# KiCad board panel_3_3.kicad_pcb
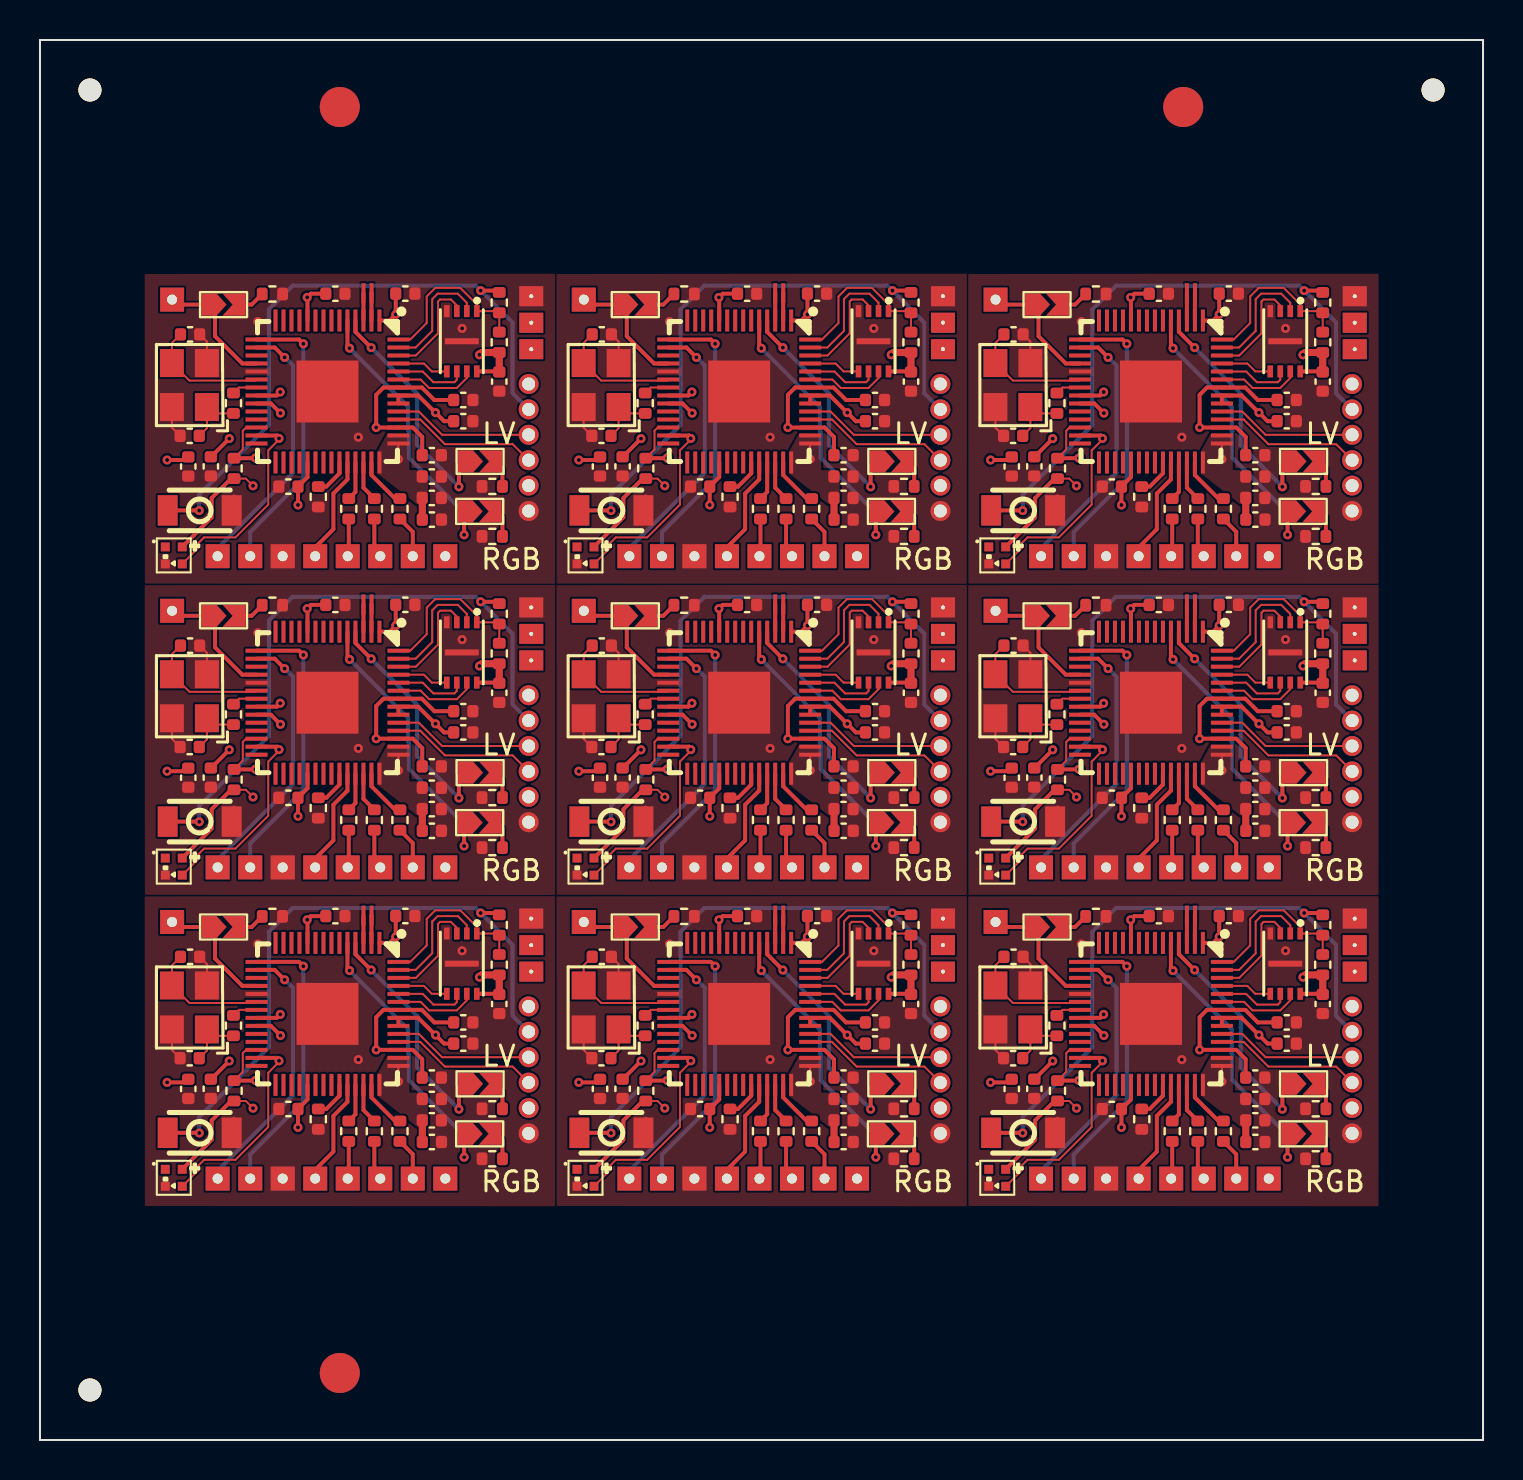
[diagram p0: board, top side]
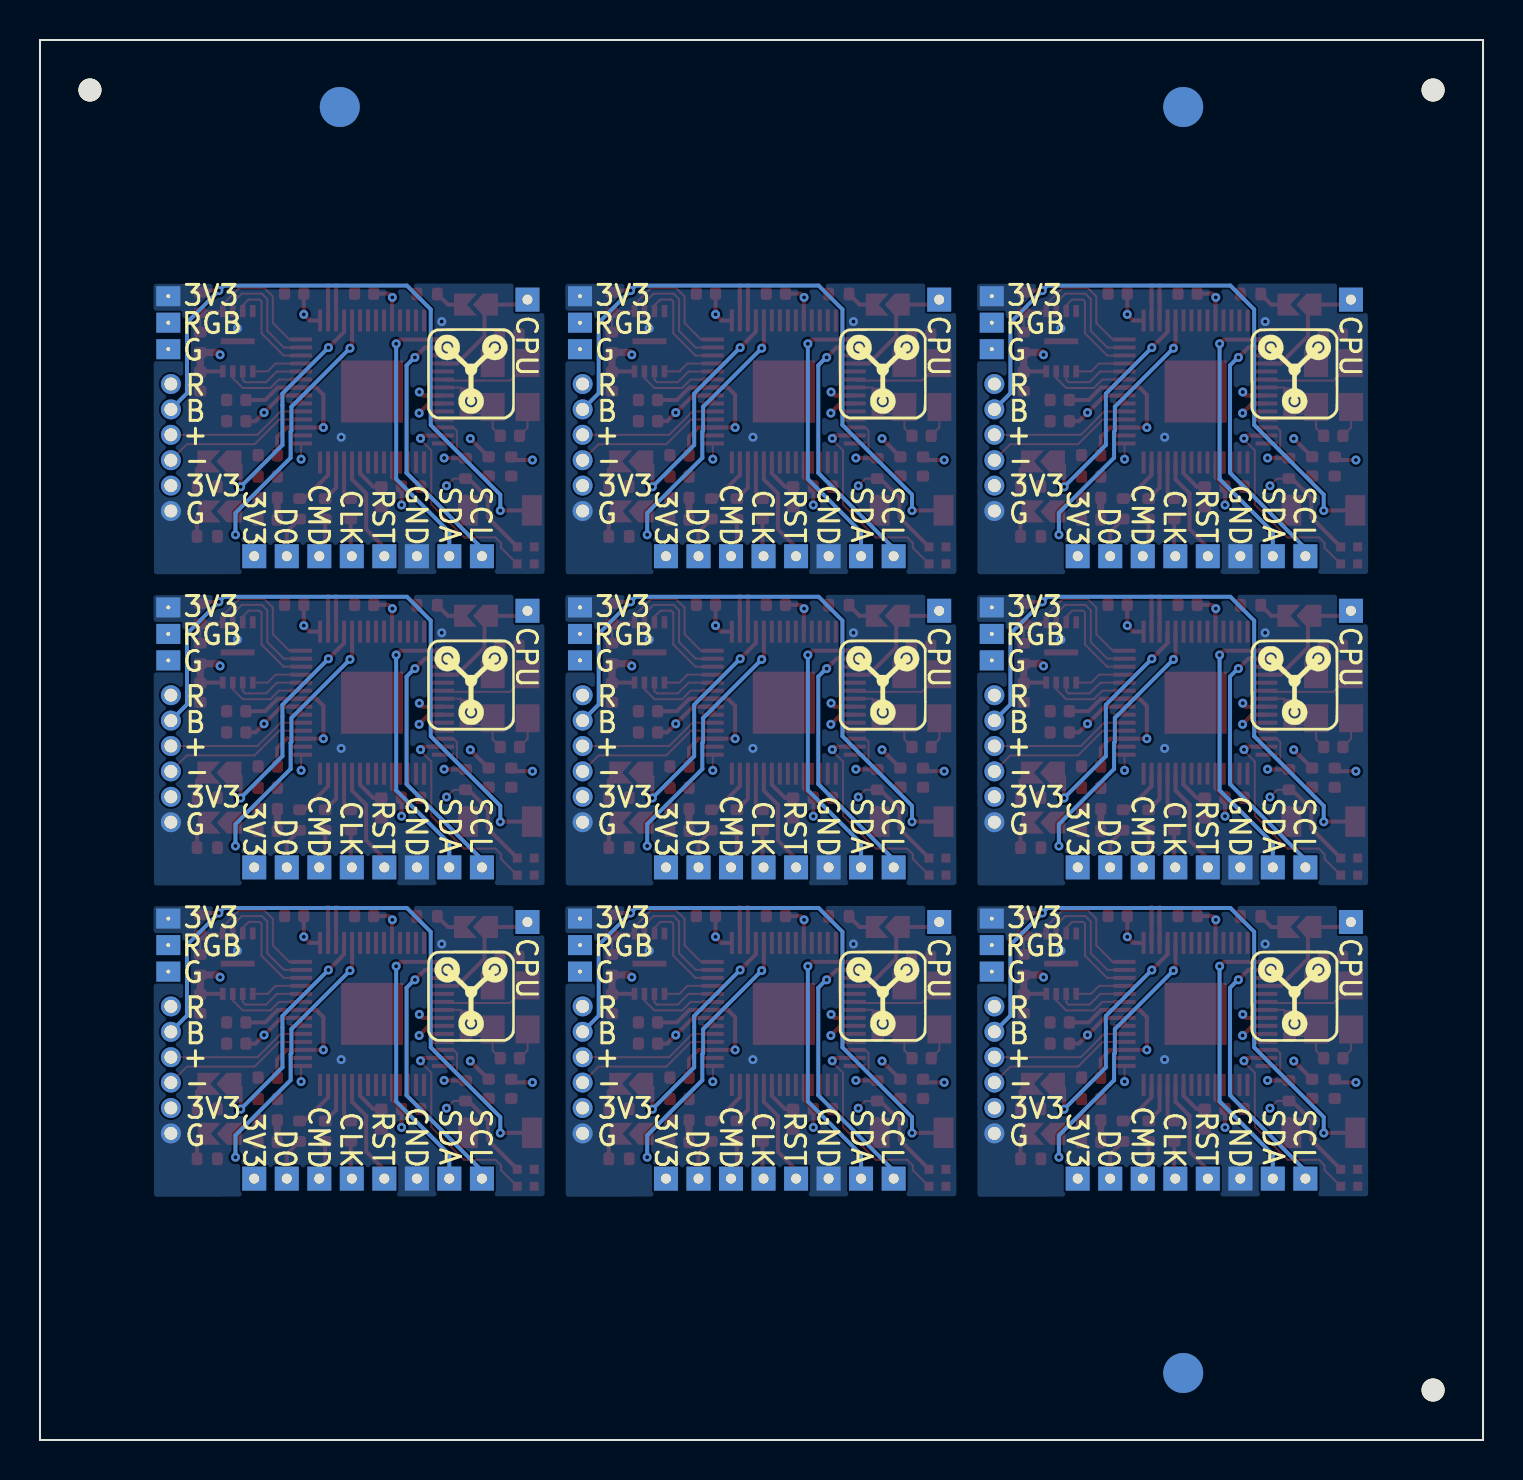
[diagram p1: board, bottom side, seen from below]

Outline 72.2 x 70 mm; copper layers: Top, In1.Cu, In2.Cu, Bottom. Coordinates in mm from the lower left corner of the outline.
Outline path: 0,70 0,0 72.2,0 72.2,70 0,70
Stack: Top 0.035mm / dielectric 0.48mm FR4 er 4.5 / In1.Cu 0.035mm / dielectric 0.48mm FR4 er 4.5 / In2.Cu 0.035mm / dielectric 0.48mm FR4 er 4.5 / Bottom 0.035mm

## Placement (name value [footprint] x y rotation side)
C1  27pF,50V,C0G  [C_0402_1005Metric]  28.09 34.65 0 top
C1#2  27pF,50V,C0G  [C_0402_1005Metric]  7.49 19.09 0 top
C1#3  27pF,50V,C0G  [C_0402_1005Metric]  48.69 19.09 0 top
C1#4  27pF,50V,C0G  [C_0402_1005Metric]  48.69 50.21 0 top
C1#5  27pF,50V,C0G  [C_0402_1005Metric]  7.49 50.21 0 top
C1#6  27pF,50V,C0G  [C_0402_1005Metric]  28.09 19.09 0 top
C1#7  27pF,50V,C0G  [C_0402_1005Metric]  7.49 34.65 0 top
C1#8  27pF,50V,C0G  [C_0402_1005Metric]  48.69 34.65 0 top
C1#9  27pF,50V,C0G  [C_0402_1005Metric]  28.09 50.21 0 top
C2  100nF,16V,X7R  [C_0402_1005Metric]  62.38 52 0 top
C2#2  100nF,16V,X7R  [C_0402_1005Metric]  62.38 36.44 0 top
C2#3  100nF,16V,X7R  [C_0402_1005Metric]  62.38 20.88 0 top
C2#4  100nF,16V,X7R  [C_0402_1005Metric]  21.18 52 0 top
C2#5  100nF,16V,X7R  [C_0402_1005Metric]  41.78 52 0 top
C2#6  100nF,16V,X7R  [C_0402_1005Metric]  21.18 36.44 0 top
C2#7  100nF,16V,X7R  [C_0402_1005Metric]  41.78 36.44 0 top
C2#8  100nF,16V,X7R  [C_0402_1005Metric]  21.18 20.88 0 top
C2#9  100nF,16V,X7R  [C_0402_1005Metric]  41.78 20.88 0 top
C3  27pF,50V,C0G  [C_0402_1005Metric]  7.51 39.72 0 top
C3#2  27pF,50V,C0G  [C_0402_1005Metric]  7.51 55.28 0 top
C3#3  27pF,50V,C0G  [C_0402_1005Metric]  28.11 39.72 0 top
C3#4  27pF,50V,C0G  [C_0402_1005Metric]  7.51 24.16 0 top
C3#5  27pF,50V,C0G  [C_0402_1005Metric]  48.71 55.28 0 top
C3#6  27pF,50V,C0G  [C_0402_1005Metric]  48.71 39.72 0 top
C3#7  27pF,50V,C0G  [C_0402_1005Metric]  28.11 55.28 0 top
C3#8  27pF,50V,C0G  [C_0402_1005Metric]  28.11 24.16 0 top
C3#9  27pF,50V,C0G  [C_0402_1005Metric]  48.71 24.16 0 top
C4  100nF,16V,X7R  [C_0402_1005Metric]  49.75 33.12 270 top
C4#2  100nF,16V,X7R  [C_0402_1005Metric]  8.55 48.68 270 top
C4#3  100nF,16V,X7R  [C_0402_1005Metric]  8.55 33.12 270 top
C4#4  100nF,16V,X7R  [C_0402_1005Metric]  49.75 17.56 270 top
C4#5  100nF,16V,X7R  [C_0402_1005Metric]  49.75 48.68 270 top
C4#6  100nF,16V,X7R  [C_0402_1005Metric]  29.15 33.12 270 top
C4#7  100nF,16V,X7R  [C_0402_1005Metric]  29.15 48.68 270 top
C4#8  100nF,16V,X7R  [C_0402_1005Metric]  29.15 17.56 270 top
C4#9  100nF,16V,X7R  [C_0402_1005Metric]  8.55 17.56 270 top
C5  1uF,25V,X5R  [C_0402_1005Metric]  19.6 49.24 0 top
C5#2  1uF,25V,X5R  [C_0402_1005Metric]  19.6 33.68 0 top
C5#3  1uF,25V,X5R  [C_0402_1005Metric]  40.2 18.12 0 top
C5#4  1uF,25V,X5R  [C_0402_1005Metric]  60.81 49.24 0 top
C5#5  1uF,25V,X5R  [C_0402_1005Metric]  40.2 49.24 0 top
C5#6  1uF,25V,X5R  [C_0402_1005Metric]  60.81 18.12 0 top
C5#7  1uF,25V,X5R  [C_0402_1005Metric]  60.81 33.68 0 top
C5#8  1uF,25V,X5R  [C_0402_1005Metric]  19.6 18.12 0 top
C5#9  1uF,25V,X5R  [C_0402_1005Metric]  40.2 33.68 0 top
C6  1uF,25V,X5R  [C_0402_1005Metric]  19.6 32.61 180 top
C6#2  1uF,25V,X5R  [C_0402_1005Metric]  60.81 17.05 180 top
C6#3  1uF,25V,X5R  [C_0402_1005Metric]  19.6 17.05 180 top
C6#4  1uF,25V,X5R  [C_0402_1005Metric]  60.81 32.61 180 top
C6#5  1uF,25V,X5R  [C_0402_1005Metric]  60.81 48.17 180 top
C6#6  1uF,25V,X5R  [C_0402_1005Metric]  19.6 48.17 180 top
C6#7  1uF,25V,X5R  [C_0402_1005Metric]  40.2 17.05 180 top
C6#8  1uF,25V,X5R  [C_0402_1005Metric]  40.2 32.61 180 top
C6#9  1uF,25V,X5R  [C_0402_1005Metric]  40.2 48.17 180 top
C7  100nF,16V,X7R  [C_0402_1005Metric]  53.63 16.55 180 top
C7#2  100nF,16V,X7R  [C_0402_1005Metric]  12.43 32.11 180 top
C7#3  100nF,16V,X7R  [C_0402_1005Metric]  33.03 47.67 180 top
C7#4  100nF,16V,X7R  [C_0402_1005Metric]  12.43 16.55 180 top
C7#5  100nF,16V,X7R  [C_0402_1005Metric]  53.63 32.11 180 top
C7#6  100nF,16V,X7R  [C_0402_1005Metric]  33.03 16.55 180 top
C7#7  100nF,16V,X7R  [C_0402_1005Metric]  12.43 47.67 180 top
C7#8  100nF,16V,X7R  [C_0402_1005Metric]  53.63 47.67 180 top
C7#9  100nF,16V,X7R  [C_0402_1005Metric]  33.03 32.11 180 top
C8  100nF,16V,X7R  [C_0402_1005Metric]  19.61 14.9 0 top
C8#2  100nF,16V,X7R  [C_0402_1005Metric]  40.21 46.02 0 top
C8#3  100nF,16V,X7R  [C_0402_1005Metric]  60.81 14.9 0 top
C8#4  100nF,16V,X7R  [C_0402_1005Metric]  60.81 46.02 0 top
C8#5  100nF,16V,X7R  [C_0402_1005Metric]  19.61 46.02 0 top
C8#6  100nF,16V,X7R  [C_0402_1005Metric]  40.21 30.46 0 top
C8#7  100nF,16V,X7R  [C_0402_1005Metric]  40.21 14.9 0 top
C8#8  100nF,16V,X7R  [C_0402_1005Metric]  19.61 30.46 0 top
C8#9  100nF,16V,X7R  [C_0402_1005Metric]  60.81 30.46 0 top
C9  100nF,16V,X7R  [C_0402_1005Metric]  40.2 31.55 0 top
C9#2  100nF,16V,X7R  [C_0402_1005Metric]  19.6 47.1 0 top
C9#3  100nF,16V,X7R  [C_0402_1005Metric]  19.6 15.98 0 top
C9#4  100nF,16V,X7R  [C_0402_1005Metric]  60.81 15.98 0 top
C9#5  100nF,16V,X7R  [C_0402_1005Metric]  40.2 15.98 0 top
C9#6  100nF,16V,X7R  [C_0402_1005Metric]  60.81 47.1 0 top
C9#7  100nF,16V,X7R  [C_0402_1005Metric]  60.81 31.55 0 top
C9#8  100nF,16V,X7R  [C_0402_1005Metric]  19.6 31.55 0 top
C9#9  100nF,16V,X7R  [C_0402_1005Metric]  40.2 47.1 0 top
C10  100nF,16V,X7R  [C_0402_1005Metric]  62.38 19.82 0 top
C10#2  100nF,16V,X7R  [C_0402_1005Metric]  21.18 35.38 0 top
C10#3  100nF,16V,X7R  [C_0402_1005Metric]  41.78 50.94 0 top
C10#4  100nF,16V,X7R  [C_0402_1005Metric]  21.18 50.94 0 top
C10#5  100nF,16V,X7R  [C_0402_1005Metric]  41.78 19.82 0 top
C10#6  100nF,16V,X7R  [C_0402_1005Metric]  21.18 19.82 0 top
C10#7  100nF,16V,X7R  [C_0402_1005Metric]  41.78 35.38 0 top
C10#8  100nF,16V,X7R  [C_0402_1005Metric]  62.38 50.94 0 top
C10#9  100nF,16V,X7R  [C_0402_1005Metric]  62.38 35.38 0 top
C11  100nF,16V,X7R  [C_0402_1005Metric]  38.88 57.32 0 top
C11#2  100nF,16V,X7R  [C_0402_1005Metric]  18.28 41.76 0 top
C11#3  100nF,16V,X7R  [C_0402_1005Metric]  59.48 57.32 0 top
C11#4  100nF,16V,X7R  [C_0402_1005Metric]  18.28 26.2 0 top
C11#5  100nF,16V,X7R  [C_0402_1005Metric]  38.88 41.76 0 top
C11#6  100nF,16V,X7R  [C_0402_1005Metric]  59.48 41.76 0 top
C11#7  100nF,16V,X7R  [C_0402_1005Metric]  59.48 26.2 0 top
C11#8  100nF,16V,X7R  [C_0402_1005Metric]  38.88 26.2 0 top
C11#9  100nF,16V,X7R  [C_0402_1005Metric]  18.28 57.32 0 top
C12  100nF,16V,X7R  [C_0402_1005Metric]  35.38 57.31 0 top
C12#2  100nF,16V,X7R  [C_0402_1005Metric]  14.78 57.31 0 top
C12#3  100nF,16V,X7R  [C_0402_1005Metric]  35.38 26.2 0 top
C12#4  100nF,16V,X7R  [C_0402_1005Metric]  14.78 26.2 0 top
C12#5  100nF,16V,X7R  [C_0402_1005Metric]  55.98 26.2 0 top
C12#6  100nF,16V,X7R  [C_0402_1005Metric]  35.38 41.76 0 top
C12#7  100nF,16V,X7R  [C_0402_1005Metric]  55.98 57.31 0 top
C12#8  100nF,16V,X7R  [C_0402_1005Metric]  14.78 41.76 0 top
C12#9  100nF,16V,X7R  [C_0402_1005Metric]  55.98 41.76 0 top
C13  100nF,16V,X7R  [C_0402_1005Metric]  28.02 17.56 270 top
C13#2  100nF,16V,X7R  [C_0402_1005Metric]  28.02 48.67 270 top
C13#3  100nF,16V,X7R  [C_0402_1005Metric]  48.62 48.67 270 top
C13#4  100nF,16V,X7R  [C_0402_1005Metric]  7.42 33.12 270 top
C13#5  100nF,16V,X7R  [C_0402_1005Metric]  7.42 17.56 270 top
C13#6  100nF,16V,X7R  [C_0402_1005Metric]  7.42 48.67 270 top
C13#7  100nF,16V,X7R  [C_0402_1005Metric]  48.62 33.12 270 top
C13#8  100nF,16V,X7R  [C_0402_1005Metric]  28.02 33.12 270 top
C13#9  100nF,16V,X7R  [C_0402_1005Metric]  48.62 17.56 270 top
C14  100nF,16V,X7R  [C_0402_1005Metric]  43.58 21.8 270 top
C14#2  100nF,16V,X7R  [C_0402_1005Metric]  64.18 37.36 270 top
C14#3  100nF,16V,X7R  [C_0402_1005Metric]  22.98 52.92 270 top
C14#4  100nF,16V,X7R  [C_0402_1005Metric]  64.18 52.92 270 top
C14#5  100nF,16V,X7R  [C_0402_1005Metric]  64.18 21.8 270 top
C14#6  100nF,16V,X7R  [C_0402_1005Metric]  43.58 37.36 270 top
C14#7  100nF,16V,X7R  [C_0402_1005Metric]  22.98 37.36 270 top
C14#8  100nF,16V,X7R  [C_0402_1005Metric]  43.58 52.92 270 top
C14#9  100nF,16V,X7R  [C_0402_1005Metric]  22.98 21.8 270 top
J1  Conn_01x01  [TH_Pads_1x1_P1.20mml]  47.81 57.02 90 top
J1#2  Conn_01x01  [TH_Pads_1x1_P1.20mml]  27.21 41.46 90 top
J1#3  Conn_01x01  [TH_Pads_1x1_P1.20mml]  27.21 25.9 90 top
J1#4  Conn_01x01  [TH_Pads_1x1_P1.20mml]  47.81 25.9 90 top
J1#5  Conn_01x01  [TH_Pads_1x1_P1.20mml]  27.21 57.02 90 top
J1#6  Conn_01x01  [TH_Pads_1x1_P1.20mml]  6.61 41.46 90 top
J1#7  Conn_01x01  [TH_Pads_1x1_P1.20mml]  47.81 41.46 90 top
J1#8  Conn_01x01  [TH_Pads_1x1_P1.20mml]  6.61 25.9 90 top
J1#9  Conn_01x01  [TH_Pads_1x1_P1.20mml]  6.61 57.02 90 top
J2  Conn_01x01  [TH_Pads_1x1_P1.20mml]  54.97 13.07 90 top
J2#2  Conn_01x01  [TH_Pads_1x1_P1.20mml]  34.37 13.07 90 top
J2#3  Conn_01x01  [TH_Pads_1x1_P1.20mml]  13.77 44.19 90 top
J2#4  Conn_01x01  [TH_Pads_1x1_P1.20mml]  54.97 44.19 90 top
J2#5  Conn_01x01  [TH_Pads_1x1_P1.20mml]  13.77 28.63 90 top
J2#6  Conn_01x01  [TH_Pads_1x1_P1.20mml]  34.37 28.63 90 top
J2#7  Conn_01x01  [TH_Pads_1x1_P1.20mml]  34.37 44.19 90 top
J2#8  Conn_01x01  [TH_Pads_1x1_P1.20mml]  54.97 28.63 90 top
J2#9  Conn_01x01  [TH_Pads_1x1_P1.20mml]  13.77 13.07 90 top
J3  Conn_01x01  [TH_Pads_1x1_P1.20mml]  36 28.63 90 top
J3#2  Conn_01x01  [TH_Pads_1x1_P1.20mml]  56.6 13.07 90 top
J3#3  Conn_01x01  [TH_Pads_1x1_P1.20mml]  36 13.07 90 top
J3#4  Conn_01x01  [TH_Pads_1x1_P1.20mml]  15.4 13.07 90 top
J3#5  Conn_01x01  [TH_Pads_1x1_P1.20mml]  15.4 44.19 90 top
J3#6  Conn_01x01  [TH_Pads_1x1_P1.20mml]  56.6 28.63 90 top
J3#7  Conn_01x01  [TH_Pads_1x1_P1.20mml]  15.4 28.63 90 top
J3#8  Conn_01x01  [TH_Pads_1x1_P1.20mml]  56.6 44.19 90 top
J3#9  Conn_01x01  [TH_Pads_1x1_P1.20mml]  36 44.19 90 top
J4  Conn_01x01  [TH_Pads_1x1_P1.20mml]  17.03 13.07 90 top
J4#2  Conn_01x01  [TH_Pads_1x1_P1.20mml]  58.22 13.07 90 top
J4#3  Conn_01x01  [TH_Pads_1x1_P1.20mml]  17.03 44.19 90 top
J4#4  Conn_01x01  [TH_Pads_1x1_P1.20mml]  58.22 44.19 90 top
J4#5  Conn_01x01  [TH_Pads_1x1_P1.20mml]  17.03 28.63 90 top
J4#6  Conn_01x01  [TH_Pads_1x1_P1.20mml]  37.62 13.07 90 top
J4#7  Conn_01x01  [TH_Pads_1x1_P1.20mml]  37.62 28.63 90 top
J4#8  Conn_01x01  [TH_Pads_1x1_P1.20mml]  58.22 28.63 90 top
J4#9  Conn_01x01  [TH_Pads_1x1_P1.20mml]  37.62 44.19 90 top
J5  Conn_01x01  [TH_Pads_1x1_P1.20mml]  18.65 44.19 0 top
J5#2  Conn_01x01  [TH_Pads_1x1_P1.20mml]  39.25 13.07 0 top
J5#3  Conn_01x01  [TH_Pads_1x1_P1.20mml]  18.65 28.63 0 top
J5#4  Conn_01x01  [TH_Pads_1x1_P1.20mml]  59.85 44.19 0 top
J5#5  Conn_01x01  [TH_Pads_1x1_P1.20mml]  59.85 28.63 0 top
J5#6  Conn_01x01  [TH_Pads_1x1_P1.20mml]  39.25 44.19 0 top
J5#7  Conn_01x01  [TH_Pads_1x1_P1.20mml]  59.85 13.07 0 top
J5#8  Conn_01x01  [TH_Pads_1x1_P1.20mml]  39.25 28.63 0 top
J5#9  Conn_01x01  [TH_Pads_1x1_P1.20mml]  18.65 13.07 0 top
J6  Conn_01x01  [TH_Pads_1x1_P1.20mml]  31.12 44.19 270 top
J6#2  Conn_01x01  [TH_Pads_1x1_P1.20mml]  31.12 28.63 270 top
J6#3  Conn_01x01  [TH_Pads_1x1_P1.20mml]  10.52 28.63 270 top
J6#4  Conn_01x01  [TH_Pads_1x1_P1.20mml]  31.12 13.07 270 top
J6#5  Conn_01x01  [TH_Pads_1x1_P1.20mml]  51.72 44.19 270 top
J6#6  Conn_01x01  [TH_Pads_1x1_P1.20mml]  51.72 13.07 270 top
J6#7  Conn_01x01  [TH_Pads_1x1_P1.20mml]  10.52 44.19 270 top
J6#8  Conn_01x01  [TH_Pads_1x1_P1.20mml]  10.52 13.07 270 top
J6#9  Conn_01x01  [TH_Pads_1x1_P1.20mml]  51.72 28.63 270 top
J7  Conn_01x01  [TH_Pads_1x1_P1.20mml]  29.49 13.07 0 top
J7#2  Conn_01x01  [TH_Pads_1x1_P1.20mml]  29.49 28.63 0 top
J7#3  Conn_01x01  [TH_Pads_1x1_P1.20mml]  8.89 28.63 0 top
J7#4  Conn_01x01  [TH_Pads_1x1_P1.20mml]  50.09 13.07 0 top
J7#5  Conn_01x01  [TH_Pads_1x1_P1.20mml]  8.89 13.07 0 top
J7#6  Conn_01x01  [TH_Pads_1x1_P1.20mml]  29.49 44.19 0 top
J7#7  Conn_01x01  [TH_Pads_1x1_P1.20mml]  50.09 44.19 0 top
J7#8  Conn_01x01  [TH_Pads_1x1_P1.20mml]  8.89 44.19 0 top
J7#9  Conn_01x01  [TH_Pads_1x1_P1.20mml]  50.09 28.63 0 top
J8  Conn_01x06  [ProgPins_1x06_P1.27mm]  24.45 21.68 0 top
J8#2  Conn_01x06  [ProgPins_1x06_P1.27mm]  65.65 52.8 0 top
J8#3  Conn_01x06  [ProgPins_1x06_P1.27mm]  65.65 37.24 0 top
J8#4  Conn_01x06  [ProgPins_1x06_P1.27mm]  24.45 52.8 0 top
J8#5  Conn_01x06  [ProgPins_1x06_P1.27mm]  65.65 21.68 0 top
J8#6  Conn_01x06  [ProgPins_1x06_P1.27mm]  45.05 21.68 0 top
J8#7  Conn_01x06  [ProgPins_1x06_P1.27mm]  24.45 37.24 0 top
J8#8  Conn_01x06  [ProgPins_1x06_P1.27mm]  45.05 37.24 0 top
J8#9  Conn_01x06  [ProgPins_1x06_P1.27mm]  45.05 52.8 0 top
J9  Conn_01x01  [TH_Pads_1x1_P1.20mml]  32.74 13.07 0 top
J9#2  Conn_01x01  [TH_Pads_1x1_P1.20mml]  53.34 44.19 0 top
J9#3  Conn_01x01  [TH_Pads_1x1_P1.20mml]  53.34 28.63 0 top
J9#4  Conn_01x01  [TH_Pads_1x1_P1.20mml]  53.34 13.07 0 top
J9#5  Conn_01x01  [TH_Pads_1x1_P1.20mml]  32.74 44.19 0 top
J9#6  Conn_01x01  [TH_Pads_1x1_P1.20mml]  12.14 28.63 0 top
J9#7  Conn_01x01  [TH_Pads_1x1_P1.20mml]  12.14 44.19 0 top
J9#8  Conn_01x01  [TH_Pads_1x1_P1.20mml]  32.74 28.63 0 top
J9#9  Conn_01x01  [TH_Pads_1x1_P1.20mml]  12.14 13.07 0 top
J10  Conn_01x01  [TH_Pads_1x1_P1.20mml]  20.28 13.07 0 top
J10#2  Conn_01x01  [TH_Pads_1x1_P1.20mml]  20.28 44.19 0 top
J10#3  Conn_01x01  [TH_Pads_1x1_P1.20mml]  40.88 44.19 0 top
J10#4  Conn_01x01  [TH_Pads_1x1_P1.20mml]  40.88 28.63 0 top
J10#5  Conn_01x01  [TH_Pads_1x1_P1.20mml]  61.48 13.07 0 top
J10#6  Conn_01x01  [TH_Pads_1x1_P1.20mml]  61.48 28.63 0 top
J10#7  Conn_01x01  [TH_Pads_1x1_P1.20mml]  40.88 13.07 0 top
J10#8  Conn_01x01  [TH_Pads_1x1_P1.20mml]  61.48 44.19 0 top
J10#9  Conn_01x01  [TH_Pads_1x1_P1.20mml]  20.28 28.63 0 top
J11  Conn_01x01  [TH_Pads_1.2x1_P1.20mml]  24.58 23.42 180 top
J11#2  Conn_01x01  [TH_Pads_1.2x1_P1.20mml]  45.18 54.54 180 top
J11#3  Conn_01x01  [TH_Pads_1.2x1_P1.20mml]  45.18 23.42 180 top
J11#4  Conn_01x01  [TH_Pads_1.2x1_P1.20mml]  24.58 54.54 180 top
J11#5  Conn_01x01  [TH_Pads_1.2x1_P1.20mml]  65.78 23.42 180 top
J11#6  Conn_01x01  [TH_Pads_1.2x1_P1.20mml]  65.78 38.98 180 top
J11#7  Conn_01x01  [TH_Pads_1.2x1_P1.20mml]  45.18 38.98 180 top
J11#8  Conn_01x01  [TH_Pads_1.2x1_P1.20mml]  24.58 38.98 180 top
J11#9  Conn_01x01  [TH_Pads_1.2x1_P1.20mml]  65.78 54.54 180 top
J12  Conn_01x01  [TH_Pads_1.2x1_P1.20mml]  45.18 41.63 180 top
J12#2  Conn_01x01  [TH_Pads_1.2x1_P1.20mml]  24.58 41.63 180 top
J12#3  Conn_01x01  [TH_Pads_1.2x1_P1.20mml]  24.58 57.19 180 top
J12#4  Conn_01x01  [TH_Pads_1.2x1_P1.20mml]  65.78 41.63 180 top
J12#5  Conn_01x01  [TH_Pads_1.2x1_P1.20mml]  45.18 57.19 180 top
J12#6  Conn_01x01  [TH_Pads_1.2x1_P1.20mml]  65.78 57.19 180 top
J12#7  Conn_01x01  [TH_Pads_1.2x1_P1.20mml]  65.78 26.07 180 top
J12#8  Conn_01x01  [TH_Pads_1.2x1_P1.20mml]  24.58 26.07 180 top
J12#9  Conn_01x01  [TH_Pads_1.2x1_P1.20mml]  45.18 26.07 180 top
J13  Conn_01x01  [TH_Pads_1.2x1_P1.20mml]  45.18 40.3 180 top
J13#2  Conn_01x01  [TH_Pads_1.2x1_P1.20mml]  45.18 24.75 180 top
J13#3  Conn_01x01  [TH_Pads_1.2x1_P1.20mml]  24.58 24.75 180 top
J13#4  Conn_01x01  [TH_Pads_1.2x1_P1.20mml]  65.78 55.87 180 top
J13#5  Conn_01x01  [TH_Pads_1.2x1_P1.20mml]  65.78 40.3 180 top
J13#6  Conn_01x01  [TH_Pads_1.2x1_P1.20mml]  24.58 55.87 180 top
J13#7  Conn_01x01  [TH_Pads_1.2x1_P1.20mml]  45.18 55.87 180 top
J13#8  Conn_01x01  [TH_Pads_1.2x1_P1.20mml]  24.58 40.3 180 top
J13#9  Conn_01x01  [TH_Pads_1.2x1_P1.20mml]  65.78 24.75 180 top
J14  Conn_01x01  [Pad_0.2x1mm]  16.59 57.34 0 top
J14#2  Conn_01x01  [Pad_0.2x1mm]  57.79 57.34 0 top
J14#3  Conn_01x01  [Pad_0.2x1mm]  37.19 57.34 0 top
J14#4  Conn_01x01  [Pad_0.2x1mm]  37.19 26.22 0 top
J14#5  Conn_01x01  [Pad_0.2x1mm]  57.79 26.22 0 top
J14#6  Conn_01x01  [Pad_0.2x1mm]  57.79 41.78 0 top
J14#7  Conn_01x01  [Pad_0.2x1mm]  37.19 41.78 0 top
J14#8  Conn_01x01  [Pad_0.2x1mm]  16.59 26.22 0 top
J14#9  Conn_01x01  [Pad_0.2x1mm]  16.59 41.78 0 top
J15  Conn_01x01  [Pad_0.2x1mm]  57.38 41.78 0 top
J15#2  Conn_01x01  [Pad_0.2x1mm]  16.19 41.78 0 top
J15#3  Conn_01x01  [Pad_0.2x1mm]  16.19 57.34 0 top
J15#4  Conn_01x01  [Pad_0.2x1mm]  16.19 26.22 0 top
J15#5  Conn_01x01  [Pad_0.2x1mm]  57.38 26.22 0 top
J15#6  Conn_01x01  [Pad_0.2x1mm]  36.78 26.22 0 top
J15#7  Conn_01x01  [Pad_0.2x1mm]  57.38 57.34 0 top
J15#8  Conn_01x01  [Pad_0.2x1mm]  36.78 57.34 0 top
J15#9  Conn_01x01  [Pad_0.2x1mm]  36.78 41.78 0 top
JP1  Jumper_2_Open  [SolderJumper-2_P1.3mm_Open_TrianglePad1.0x1.5mm_Sm]  29.66 25.65 0 top
JP1#2  Jumper_2_Open  [SolderJumper-2_P1.3mm_Open_TrianglePad1.0x1.5mm_Sm]  9.06 56.77 0 top
JP1#3  Jumper_2_Open  [SolderJumper-2_P1.3mm_Open_TrianglePad1.0x1.5mm_Sm]  9.06 25.65 0 top
JP1#4  Jumper_2_Open  [SolderJumper-2_P1.3mm_Open_TrianglePad1.0x1.5mm_Sm]  50.26 25.65 0 top
JP1#5  Jumper_2_Open  [SolderJumper-2_P1.3mm_Open_TrianglePad1.0x1.5mm_Sm]  50.26 56.77 0 top
JP1#6  Jumper_2_Open  [SolderJumper-2_P1.3mm_Open_TrianglePad1.0x1.5mm_Sm]  9.06 41.21 0 top
JP1#7  Jumper_2_Open  [SolderJumper-2_P1.3mm_Open_TrianglePad1.0x1.5mm_Sm]  50.26 41.21 0 top
JP1#8  Jumper_2_Open  [SolderJumper-2_P1.3mm_Open_TrianglePad1.0x1.5mm_Sm]  29.66 56.77 0 top
JP1#9  Jumper_2_Open  [SolderJumper-2_P1.3mm_Open_TrianglePad1.0x1.5mm_Sm]  29.66 41.21 0 top
JP2  Jumper_2_Open  [SolderJumper-2_P1.3mm_Open_TrianglePad1.0x1.5mm_Sm]  42.5 17.81 0 top
JP2#2  Jumper_2_Open  [SolderJumper-2_P1.3mm_Open_TrianglePad1.0x1.5mm_Sm]  63.09 33.37 0 top
JP2#3  Jumper_2_Open  [SolderJumper-2_P1.3mm_Open_TrianglePad1.0x1.5mm_Sm]  42.5 48.93 0 top
JP2#4  Jumper_2_Open  [SolderJumper-2_P1.3mm_Open_TrianglePad1.0x1.5mm_Sm]  63.09 48.93 0 top
JP2#5  Jumper_2_Open  [SolderJumper-2_P1.3mm_Open_TrianglePad1.0x1.5mm_Sm]  42.5 33.37 0 top
JP2#6  Jumper_2_Open  [SolderJumper-2_P1.3mm_Open_TrianglePad1.0x1.5mm_Sm]  21.89 48.93 0 top
JP2#7  Jumper_2_Open  [SolderJumper-2_P1.3mm_Open_TrianglePad1.0x1.5mm_Sm]  63.09 17.81 0 top
JP2#8  Jumper_2_Open  [SolderJumper-2_P1.3mm_Open_TrianglePad1.0x1.5mm_Sm]  21.89 33.37 0 top
JP2#9  Jumper_2_Open  [SolderJumper-2_P1.3mm_Open_TrianglePad1.0x1.5mm_Sm]  21.89 17.81 0 top
JP3  Jumper_2_Open  [SolderJumper-2_P1.3mm_Open_TrianglePad1.0x1.5mm_Sm]  42.47 30.87 0 top
JP3#2  Jumper_2_Open  [SolderJumper-2_P1.3mm_Open_TrianglePad1.0x1.5mm_Sm]  42.47 46.43 0 top
JP3#3  Jumper_2_Open  [SolderJumper-2_P1.3mm_Open_TrianglePad1.0x1.5mm_Sm]  63.07 15.31 0 top
JP3#4  Jumper_2_Open  [SolderJumper-2_P1.3mm_Open_TrianglePad1.0x1.5mm_Sm]  21.88 15.31 0 top
JP3#5  Jumper_2_Open  [SolderJumper-2_P1.3mm_Open_TrianglePad1.0x1.5mm_Sm]  21.88 30.87 0 top
JP3#6  Jumper_2_Open  [SolderJumper-2_P1.3mm_Open_TrianglePad1.0x1.5mm_Sm]  42.47 15.31 0 top
JP3#7  Jumper_2_Open  [SolderJumper-2_P1.3mm_Open_TrianglePad1.0x1.5mm_Sm]  63.07 46.43 0 top
JP3#8  Jumper_2_Open  [SolderJumper-2_P1.3mm_Open_TrianglePad1.0x1.5mm_Sm]  21.88 46.43 0 top
JP3#9  Jumper_2_Open  [SolderJumper-2_P1.3mm_Open_TrianglePad1.0x1.5mm_Sm]  63.07 30.87 0 top
R1  1k  [R_0402_1005Metric]  50.88 51.84 90 top
R1#2  1k  [R_0402_1005Metric]  9.68 36.28 90 top
R1#3  1k  [R_0402_1005Metric]  50.88 20.72 90 top
R1#4  1k  [R_0402_1005Metric]  50.88 36.28 90 top
R1#5  1k  [R_0402_1005Metric]  30.28 51.84 90 top
R1#6  1k  [R_0402_1005Metric]  9.68 51.84 90 top
R1#7  1k  [R_0402_1005Metric]  30.28 20.72 90 top
R1#8  1k  [R_0402_1005Metric]  9.68 20.72 90 top
R1#9  1k  [R_0402_1005Metric]  30.28 36.28 90 top
R2  10k  [R_0402_1005Metric]  30.31 48.58 90 top
R2#2  10k  [R_0402_1005Metric]  50.91 17.46 90 top
R2#3  10k  [R_0402_1005Metric]  9.71 33.02 90 top
R2#4  10k  [R_0402_1005Metric]  9.71 17.46 90 top
R2#5  10k  [R_0402_1005Metric]  50.91 48.58 90 top
R2#6  10k  [R_0402_1005Metric]  30.31 17.46 90 top
R2#7  10k  [R_0402_1005Metric]  30.31 33.02 90 top
R2#8  10k  [R_0402_1005Metric]  9.71 48.58 90 top
R2#9  10k  [R_0402_1005Metric]  50.91 33.02 90 top
R3  10k  [R_0402_1005Metric]  13.92 16.04 270 top
R3#2  10k  [R_0402_1005Metric]  34.53 31.6 270 top
R3#3  10k  [R_0402_1005Metric]  13.92 47.16 270 top
R3#4  10k  [R_0402_1005Metric]  34.53 47.16 270 top
R3#5  10k  [R_0402_1005Metric]  55.12 31.6 270 top
R3#6  10k  [R_0402_1005Metric]  55.12 16.04 270 top
R3#7  10k  [R_0402_1005Metric]  34.53 16.04 270 top
R3#8  10k  [R_0402_1005Metric]  13.92 31.6 270 top
R3#9  10k  [R_0402_1005Metric]  55.12 47.16 270 top
R4  10k  [R_0402_1005Metric]  22.63 32.12 180 top
R4#2  10k  [R_0402_1005Metric]  22.63 47.68 180 top
R4#3  10k  [R_0402_1005Metric]  43.23 16.56 180 top
R4#4  10k  [R_0402_1005Metric]  63.83 16.56 180 top
R4#5  10k  [R_0402_1005Metric]  43.23 32.12 180 top
R4#6  10k  [R_0402_1005Metric]  63.83 32.12 180 top
R4#7  10k  [R_0402_1005Metric]  22.63 16.56 180 top
R4#8  10k  [R_0402_1005Metric]  43.23 47.68 180 top
R4#9  10k  [R_0402_1005Metric]  63.83 47.68 180 top
R5  1k  [R_0402_1005Metric]  43.58 25.75 270 top
R5#2  1k  [R_0402_1005Metric]  22.98 25.75 270 top
R5#3  1k  [R_0402_1005Metric]  43.58 56.87 270 top
R5#4  1k  [R_0402_1005Metric]  22.98 41.31 270 top
R5#5  1k  [R_0402_1005Metric]  64.18 25.75 270 top
R5#6  1k  [R_0402_1005Metric]  64.18 41.31 270 top
R5#7  1k  [R_0402_1005Metric]  64.18 56.87 270 top
R5#8  1k  [R_0402_1005Metric]  22.98 56.87 270 top
R5#9  1k  [R_0402_1005Metric]  43.58 41.31 270 top
R6  10k  [R_0402_1005Metric]  64.18 23.77 90 top
R6#2  10k  [R_0402_1005Metric]  22.98 23.77 90 top